# Altium PCB ui_brd_raton_v0.PcbDoc (part 2 of 4)
Units mm, origin at the board's own origin, x right, y up, seen from the top; angles counter-clockwise.
Board outline 280.16 x 208.53 mm, 2 copper layers (Top Layer, Bottom Layer); 354 components, 324 nets, 1344 pads, 595 vias.
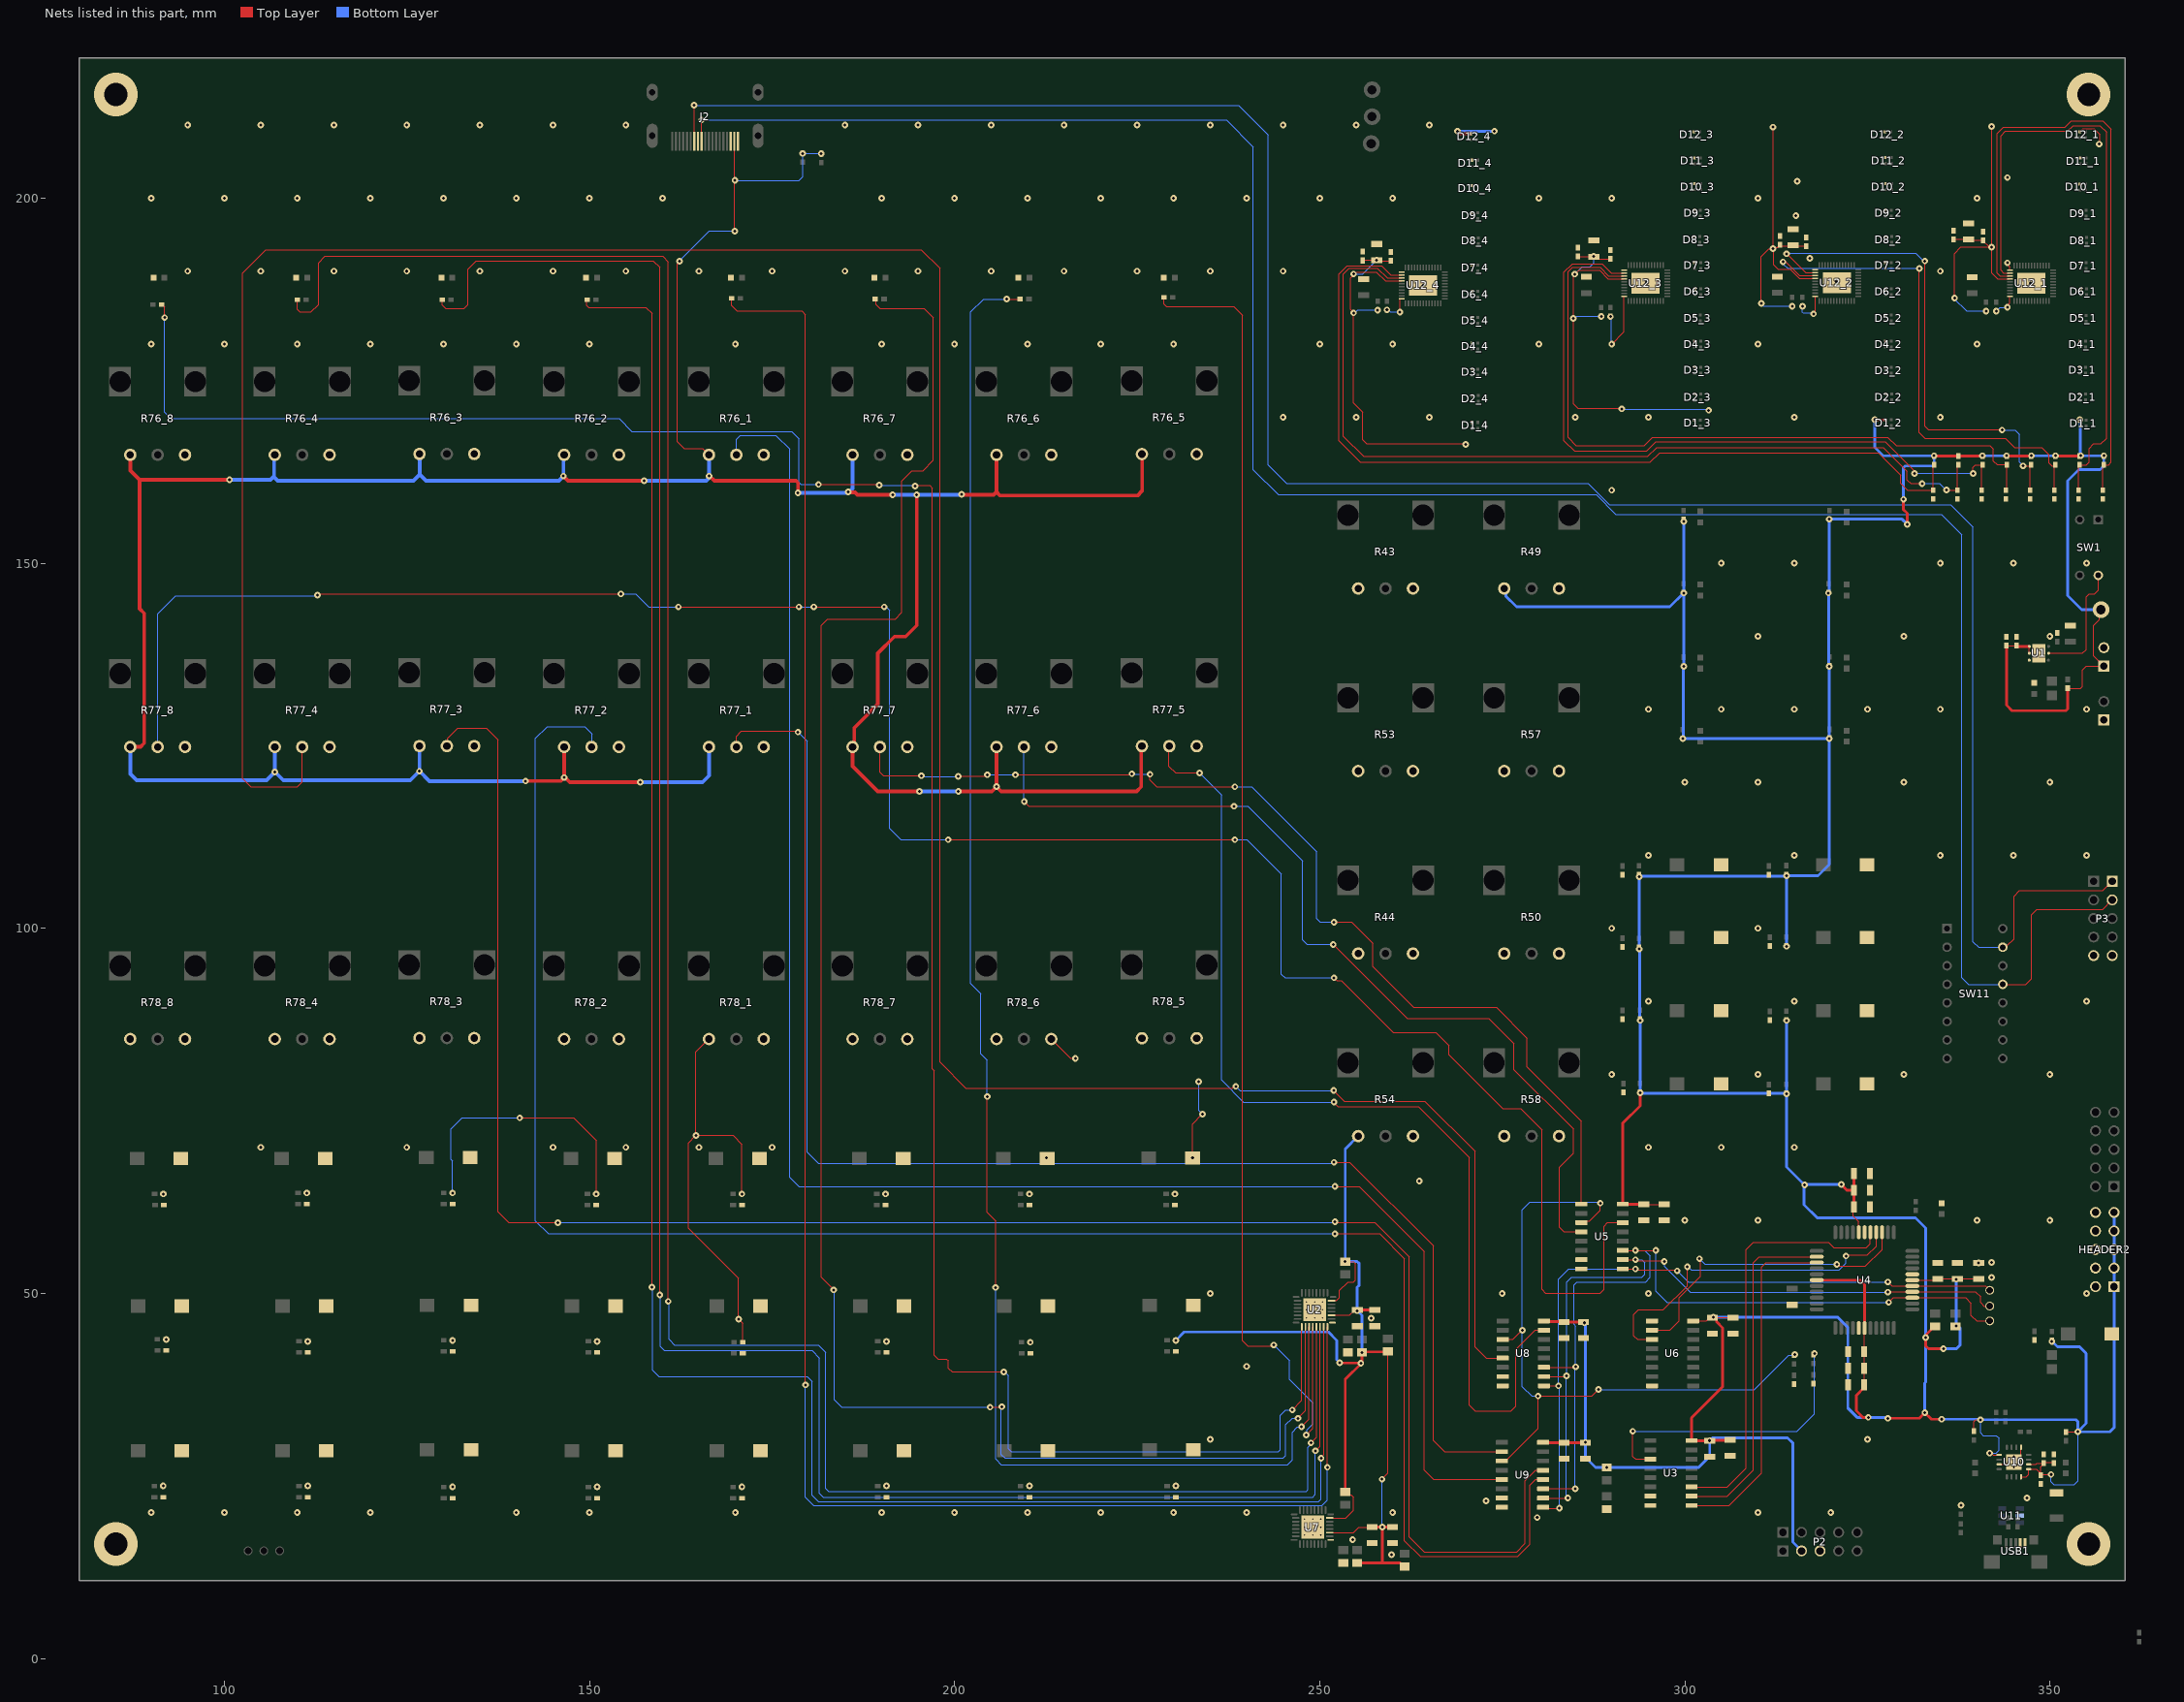
[diagram p2: the nets of this part, all layers, seen from the top]

## Part data
C1 C3 C30: library part "CAP 10uF CER 0402 6.3V X5R 20%-2", "CAP-10uF-CER-0402-6.3V-X5R-20%", Case/Package=0402, Manufacturer=Generic, Supplier Part Number 1=80-C0402C106M9P, Bin=F1-C2-10, Design Item ID="CAP 10uF CER 0402 6.3V X5R 20%", Source="Capacitor Library.SchLib", Supplier 1=Mouser, Type=SMD
C2 C5 C6 C7 C8 C9 C10 C11 C12 C38 C39 C40 C42_1 C42_2 C42_3 C42_4 C42_5 C42_6 C42_7 C42_8 C43_1 C43_2 C43_3 C43_4 C43_5 C43_6 C43_7 C43_8 C44_1 C44_2 C44_3 C44_4 C44_5 C44_6 C44_7 C44_8: library part "CAP 0.1uF CER 0402 16V X5R 10%-2", "CAP-0.1uF-CER-0402-16V-X5R-10%", Case/Package=0402, Manufacturer=Generic, Supplier Part Number 1=810-CGA2B2X5R1C104KA, Bin=CAP1-M1, Design Item ID="CAP 0.1uF CER 0402 16V X5R 10%", Source="Capacitor Library.SchLib", Status=Active, Supplier 1=Mouser, Type=SMD
C4: library part "CAP 0.1uF CER 0805 50V X7R 10%-2", "CAP-0.1uF-CER-0805-50V-X7R-10%", Case/Package=0805, Manufacturer=Generic, Supplier Part Number 1=80-C0805C104K5R, Bin=8-CAP, Datasheet=http://www.kemet.com/Lists/ProductCatalog/Attachments/53/KEM_C1002_X7R_SMD.pdf, Design Item ID="CAP 0.1uF CER 0805 50V X7R 10%", Source="Capacitor Library.SchLib", Status=Active, Supplier 1=Mouser, Type=SMD
C13 C16 C18 C20 C22 C27 C28 C32 C33 C35 C48_1 C48_2 C48_3 C48_4: library part "CAP 0.1uF CER 0805 50V  X7R 5%-2", "CAP-0.1uF-CER-0805-50V- X7R-5%", Case/Package=0805, Manufacturer=Generic, Supplier Part Number 1=80-C0805C104J3R, Bin=F1-C6-4, Datasheet=http://www.kemet.com/Lists/ProductCatalog/Attachments/53/KEM_C1002_X7R_SMD.pdf, Design Item ID="CAP 0.1uF CER 0805 50V  X7R 5%", Source="Capacitor Library.SchLib", Status=Active, Supplier 1=Mouser, Type=SMD
C14 C15 C19 C21 C23 C25 C29 C31 C34 C36 C41_1 C41_2 C41_3 C41_4: library part "CAP 1uF CER 0805 25V C0G 10%-2", Case/Package=0805, Manufacturer=Generic, Supplier Part Number 1=810-C2012X5R1E105K, Bin=N, Design Item ID="CAP 1uF CER 0805 25V C0G 10%", Source="Capacitor Library.SchLib", Status=Active, Supplier 1=Mouser, Type=SMD
C17 C26 C37: library part "CAP 1nF CER 0805 25V X7R 5%-2", Case/Package=0805, Manufacturer=Generic, Supplier Part Number 1=77-VJ0805Y102JXXPBC, Bin=N, Datasheet=http://www.mouser.com/ds/2/212/KEM_C1002_X7R_SMD-357932.pdf, Design Item ID="CAP 1nF CER 0805 25V X7R 5%", Source="Capacitor Library.SchLib", Status=Active, Supplier 1=Mouser, Type=SMD
C24: library part "CAP 10uF CER 0805 25V X5R 10%-2", "CAP-10uF-CER-0805-25V-X5R-10%", Case/Package=0805, Manufacturer=Generic, Supplier Part Number 1=80-C0805C106K8P, Bin=F1-C1-4, Design Item ID="CAP 10uF CER 0805 25V X5R 10%", Source="Capacitor Library.SchLib", Status=Active, Supplier 1=Mouser, Type=SMD
C45 C46: library part "CAP 1uF CER 0402 6.3V X5R 10%-2", "CAP-1uF-CER-0402-6.3V-X5R-10%", Case/Package=0402, Manufacturer=Generic, Supplier Part Number 1=603-CC402KRX5R9BB104, Bin=F1-CM1-04, Design Item ID="CAP 1uF CER 0402 6.3V X5R 10%", Source="Capacitor Library.SchLib", Status=Active, Supplier 1=Mouser, Type=SMD
C47_1 C47_2 C47_3 C47_4: library part "CAP 1nF CER 0402 50V X5R 10%-2", "CAP-1nF-CER-0402-50V-X5R-10%", Case/Package=0402, Manufacturer=Generic, Supplier Part Number 1=81-GRM155R61H102KA1D, Bin=N, Design Item ID="CAP 1nF CER 0402 50V X5R 10%", Source="Capacitor Library.SchLib", Status=Active, Supplier 1=Mouser, Type=SMD
C49_1 C49_2 C49_3 C49_4: library part "CAP 1uF CER 0402 25V X5R 20%-2", "CAP-1uF-CER-0402-25V-X5R-20%", Case/Package=0402, Manufacturer=Generic, Supplier Part Number 1=963-TMK105CC6105MV-F, Bin=5-FMC-CAP, Design Item ID="CAP 1uF CER 0402 25V X5R 20%", Source="Capacitor Library.SchLib", Status=Active, Supplier 1=Mouser, Type=SMD
D1_1 D1_2 D1_3 D1_4 D2_1 D2_2 D2_3 D2_4 D3_1 D3_2 D3_3 D3_4 D4_1 D4_2 D4_3 D4_4 D5_1 D5_2 D5_3 D5_4 D6_1 D6_2 D6_3 D6_4 D7_1 D7_2 D7_3 D7_4 D8_1 D8_2 D8_3 D8_4 D9_1 D9_2 D9_3 D9_4 D10_1 D10_2 D10_3 D10_4 D11_1 D11_2 D11_3 D11_4 D12_1 D12_2 D12_3 D12_4: library part IN-B101FCH-4, "LED-0404-RGB-10mA-3.4V", Case/Package=0404, Color=Blue,Green,Red, Manufacturer=Inolux, Luminous Intensity=17mcd, Status=Active, Type=SMD
DRX1 LED1: library part "LED 0603 Green 20mA 1.8V-1", "LED-0603-Green-20mA-1.8V-STOCK", Case/Package=0603, Manufacturer=Generic, Supplier Part Number 1=645-598-8060-107F, Bin=F2-DM1-1, Design Item ID="LED 0603 Green 20mA 1.8V", Source="Diode Library.SchLib", Status=Active, Supplier 1=Mouser, Type=SMD
DTX1: library part "LED 0603 Red 20mA 1.7V-1", "LED-0603-Red-20mA-1.7V-STOCK", Case/Package=0603, Manufacturer=Generic, Supplier Part Number 1=67-1551-6-ND, Bin=F2-DM1-2, Design Item ID="LED 0603 Red 20mA 1.7V", Source="Diode Library.SchLib", Status=Active, Supplier 1=Digi-Key, Type=SMD
EMI1: library part 74279211-2, "FILTER-1206-CHIP-300mA-0.3Ohm-100MHz-25%", Case/Package=1206, Manufacturer=Wurth, Supplier Part Number 1=710-742792115, Bin=F2-L2-1, ComponentLink1Description=Datasheet, ComponentLink1URL=https://eu.mouser.com/datasheet/2/445/742792115-1710682.pdf, Design Item ID=74279211, Source="Inductor Library.SchLib", Status=Active, Supplier 1=Mouser, Type=SMD
HEADER1 HEADER2: library part "GENERIC 10PIN HEADER MALE 2.54-2", "CONN MAL TH 10 0Deg HEADER 2.54mm", Case/Package="6 PIN", Manufacturer=Generic, Bin=B3-J5, Design Item ID="GENERIC 10PIN HEADER MALE 2.54", Source="Connector Library.SchLib", Status=Active, Type=TH
J1 J3_4 J4_4 J5_4: library part CMP-002-00000-2, "PCB-Probe-Ring", Color=Black
J2: library part 2086581051-2, "CONN FEM SMD 19 90Deg HDMI", Case/Package="4 PIN", Manufacturer=Molex, Supplier Part Number 1=Mouser, Design Item ID=2086581051, Source="Connector Library.SchLib", Status=Active, Supplier 1=Mouser, Type=HYBRID
J9 J10 J11 J12 J13 J14: library part "1PIN Debug-2", "CONN MAL TH 1 0Deg HEADER", Case/Package="1 PIN", Design Item ID="1PIN Debug", Source="Connector Library.SchLib", Status=NC, Type=N/A
LED2 LED3 LED4 LED5 LED6 LED7 LED8 LED9 LED10 LED11_1 LED11_2 LED11_3 LED11_4 LED11_5 LED11_6 LED11_7 LED11_8: library part "LED 0603 Blue 20mA 2.5V-1", "LED-0603-Blue-20mA-2.5V-STOCK", Case/Package=0603, Manufacturer=Generic, Supplier Part Number 1=604-APT1608LVBCD, Bin=F2-DM1-4, Design Item ID="LED 0603 Blue 20mA 2.5V", Source="Diode Library.SchLib", Status=Active, Supplier 1=Mouser, Type=SMD
P1 P4: library part "GENERIC 2PIN HEADER MALE-2", "CONN MAL TH 2 0Deg HEADER", Case/Package="n/a PIN", Manufacturer=Generic, Bin=B3-J5, Design Item ID="GENERIC 2PIN HEADER MALE", Source="Connector Library.SchLib", Status=Active, Type=TH
P2 P3: library part "GENERIC 5x2 PINS HEADER MALE-2", "CONN MAL TH 5x2 0Deg HEADER", Case/Package="2 PIN", Manufacturer=Generic, Bin=B3-J5, Design Item ID="GENERIC 5x2 PINS HEADER MALE", Source="Connector Library.SchLib", Status=Active, Type=TH
R1 R3 R4 R5 R6 R7 R8 R9 R10 R11 R12 R13 R14 R15 R16 R17 R18 R19 R20 R21 R22 R23 R24 R27 R28 R36 R51 R67 R68 R69 R70_1 R70_2 R70_3 R70_4 R70_5 R70_6 R70_7 R70_8 R72 R73_1 R73_2 R73_3 R73_4 R73_5 R73_6 R73_7 R73_8 R74 R75_1 R75_2 R75_3 R75_4 R75_5 R75_6 R75_7 R75_8 R79_1 R79_2 R79_3 R79_4 R80_1 R80_2 R80_3 R80_4: library part "RES 10k 0402 63mW 5%-1", "RES-10k-0402-63mW-5%", Case/Package=0402, Manufacturer=Generic, Bin=F1-R7-9, Design Item ID="RES 10k 0402 63mW 5%", MAPPING=1(2,1,11.5k), Source="Resistor Library.SchLib", Status=Active, Type=SMD
R2 R56: library part "RES 100 0805 125mW 1%-1", "RES-100-0805-125mW-1%", Case/Package=0805, Manufacturer=Generic, Bin=F1-R11-6, Design Item ID="RES 100 0805 125mW 1%", MAPPING=1(2,1,10k), Source="Resistor Library.SchLib", Status=Active, Type=SMD
R25 R26 R29 R30 R31 R32 R33 R34 R42 R65 R66 R71_1 R71_2 R71_3 R71_4 R71_5 R71_6 R71_7 R71_8: library part "RES 1k 0402 63mW 1%-1", "RES-1k-0402-63mW-1%", Case/Package=0402, Manufacturer=Generic, Bin=F1-R3-10, Design Item ID="RES 1k 0402 63mW 1%", MAPPING=1(2,1,11.5k), Source="Resistor Library.SchLib", Status=Active, Type=SMD
R35 R37 R38 R39 R40 R41 R45 R46 R47 R48 R52 R55: library part "RES 10k 0805 125mW 1%-1", "RES-10k-0805-125mW-1%", Case/Package=0805, Manufacturer=Generic, Bin=F1-R12-10, Design Item ID="RES 10k 0805 125mW 1%", MAPPING=1(2,1,10k), Source="Resistor Library.SchLib", Status=Active, Type=SMD
R43 R44 R49 R50 R53 R54 R57 R58 R76_1 R76_2 R76_3 R76_4 R76_5 R76_6 R76_7 R76_8 R77_1 R77_2 R77_3 R77_4 R77_5 R77_6 R77_7 R77_8 R78_1 R78_2 R78_3 R78_4 R78_5 R78_6 R78_7 R78_8: library part CMP-002-00002-1, "Potentiometers 12mm 10K ohm", Max Operating Temperature=70°C, Max Power Dissipation=50mW, Min Operating Temperature=-20°C, Package Quantity=275, Resistance=10kR, Resistor Type="Conductive Plastic,Potentiometer", Tolerance=20%, Actuator Diameter=0.236inch, Actuator Length=0.984inch, Mount="Through Hole,Snap in", Number of Gangs=1, Number of Turns=1, Packaging=Tray, Power Rating=50mW, Taper=Linear, Termination="PC Pins"
R59 R60 R62: library part "RES 0 0402 63mW-1", "RES-0-0402-63mW-5%", Case/Package=0402, Manufacturer=Generic, Bin=F1-RM1-5, Design Item ID="RES 0 0402 63mW", MAPPING=1(2,1,11.5k), Source="Resistor Library.SchLib", Status=Active, Type=SMD
R61 R63: library part "RES 39 0402 63mW 5%-1", "RES-39-0402-63mW-5%", Case/Package=0402, Manufacturer=Generic, Bin=F1-R1-2, Design Item ID="RES 39 0402 63mW 5%", MAPPING=1(2,1,11.5k), Source="Resistor Library.SchLib", Status=Active, Type=SMD
R64: library part "RES 4.75k 0402 100mW 1%-2", "RES-4.75k-0402-100mW-1%", Case/Package=0402, Manufacturer=Generic, Bin=F1-R7-7, Design Item ID="RES 4.75k 0402 100mW 1%", Source="Resistor Library.SchLib", Status=Active, Type=SMD
SW1: library part CMP-01293-3, "SWITCH DIP SPST 2 100mA 50V", Current Rating=100mA, Max Operating Temperature=85°C, Min Operating Temperature=-40°C, Package Quantity=85, Voltage Rating (DC)=20V, Actuator Type="Slide (Standard)", Contact Material=Copper, Contact Plating=Gold,Tin, Electrical Life=1000Cycles, Lead Free="Lead Free", Length=0.258inch, Max Current Rating=100mA, Mount="Through Hole", Number of Positions=2, Orientation=Straight, Packaging=Rail/Tube, Pitch=0.1inch, Terminal Pitch=2.54mm, Termination="PC Pin", Throw Configuration=SPST, Washable=No
SW2 SW3 SW4 SW5 SW6 SW7 SW8 SW9 SW10 SW12_1 SW12_2 SW12_3 SW12_4 SW12_5 SW12_6 SW12_7 SW12_8 SW13_1 SW13_2 SW13_3 SW13_4 SW13_5 SW13_6 SW13_7 SW13_8 SW14_1 SW14_2 SW14_3 SW14_4 SW14_5 SW14_6 SW14_7 SW14_8: library part TL9210AF180Q-2, "SWITCH MOM SMD SPST 50MA 12V Soft Tact", Case/Package="2 PIN", Manufacturer=E-Switch, Supplier Part Number 1=612-TL9210AF180Q, Design Item ID=TL9210AF180Q, Source="Switches Library.SchLib", Status=Active, Supplier 1=Mouser, Type=SMD
SW11: library part 210-8MS-2, "SWITCH DIP SMD SPST 8 100mA 50V", Case/Package="16 PDIP", Manufacturer="C&K Components", Supplier Part Number 1=774-2108MS, Design Item ID=210-8MS, Source="Switches Library.SchLib", Status=Active, Supplier 1=Mouser, Type=TH
U1: library part CMP-01296-4, "STMICROELECTRONICS - LD39200PU33R - LDO, FIXED, 3.3V, 2A, -40 TO 125DEG C", Case/Package="6-pin DFN", Manufacturer=STMicroelectronics, Supplier Part Number1=NR, Bin=NR, Status=NR, Supplier1=NR, Type=SMD
U2 U7: "Low-Voltage 24-Bit I2C and SMBus I/O Expander, 24 Outputs, 1.65 to 5.5 V, -40 to 85 degC, 32-pin UQFN (RGJ), Green (RoHS & no Sb/Br)", Supplier Part Number 1=296-27844-1-ND, Supplier 1=Digi-Key
U3 U5 U8 U9: library part CMP-01301-1, "Analog Multiplexer Single 8:1 16-Pin SOIC Tube", Case/Package=SOIC, Dual Supply Voltage=5V, Max Dual Supply Voltage=9V, Max Operating Temperature=125°C, Max Power Dissipation=700mW, Max Supply Voltage=20V, Min Dual Supply Voltage=2.5V, Min Operating Temperature=-55°C, Min Supply Voltage=3V, On-State Resistance=240R, Operating Supply Current=80nA, Operating Supply Voltage=18V, Package Quantity=40, Bandwidth=20MHz, Contact Plating=Gold, Height=1.58mm, Lead Free="Lead Free", Length=9.9mm, Logic Function=Multiplexer,Demultiplexer, Mount="Surface Mount", Number of Bits=8, Number of Channels=1, Number of Circuits=1, Number of Inputs=8, Number of Outputs=1, Number of Pins=16, Packaging=Rail/Tube, Propagation Delay=60ns, Radiation Hardening=No, REACH SVHC="No SVHC", Supply Type=Single,Dual, Turn-Off Delay Time=450ns, Turn-On Delay Time=720ns, Weight=0.004998oz, Width=3.91mm
U4: library part CMP-01295-2, "IC MCU 16BIT 128KB FLASH 44TQFP", Case/Package="44 TQFP", Manufacturer=Microchip, Supplier Part Number1=NR, Bin=NR, Status=NR, Supplier1=NR, Type=SMD
U6: library part CMP-01302-1, "Decoder/Demultiplexer Dual 2-to-4 16-Pin SOIC T/R", Case/Package=SOIC, High Level Output Current=6.8mA, Max Operating Temperature=125°C, Max Supply Voltage=18V, Min Operating Temperature=-55°C, Min Supply Voltage=3V, Package Quantity=2500, Quiescent Current=100uA, Bandwidth=8MHz, Contact Plating=Gold, Independent Circuits=2, Lead Free="Lead Free", Logic Function=Demultiplexer,Decoder, Low Level Output Current=6.8mA, Mount="Surface Mount", Number of Bits=4, Number of Channels=2, Number of Elements=2, Number of Input Lines=1, Number of Inputs=2, Number of Output Lines=4, Number of Outputs=4, Number of Pins=16, Packaging="Tape and Reel", Polarity=Inverting, Propagation Delay=190ns, Radiation Hardening=No, Supply Type=Dual, Turn-On Delay Time=440ns, Weight=0.004998oz
U10: library part FT230XQ-R-2, "USB to Basic UART Interface Chip, UHCI/OHCI/EHCI Compatible, USB 2.0 Compatible, -40 to +85 degC, 16-Pin QFN, Pb-Free, Tape and Reel", Package="16 QFN", Supplier Part Number 1=895-FT230XQ-R, Bin=B2-U4, Datasheet=http://www.ftdichip.com/Support/Documents/DataSheets/ICs/DS_FT230X.pdf, Design Item ID=FT230XQ-R, Source="FTDI FT-X Series.SchLib", Status=Active, Supplier 1=Mouser, Type=SMD
U11: library part CMP-00028-1, "Low-Capacitance + / - 15-kV ESD Protection Array for High-Speed Data Interfaces, 4 Channels, -40 to +85 degC, 6-pin SOT-23 (DBV), Green (RoHS & no Sb/Br)", Manufacturer="Texas Instruments", Package="6 SOT23", Datasheet=http://www.ti.com/general/docs/lit/getliterature.tsp?genericPartNumber=TPD4E001&fileType=pdf, Design Item ID=TPD4E001DBVR, Serial ATA / eSATA=TRUE, Source="TI Interface ESD EMI Protection.SchLib", Status=Active, Type=SMD
U12_1 U12_2 U12_3 U12_4: library part LP5036RJVR-2, "36-Channel LED Driver - 2.7-5.5V - 1.26A/channel", Case/Package=VQFN-46, Manufacturer="Texas Instruments", Status=Active, Type=SMD
USB1: library part DX4R005HJ5R2000-1, "CONN FEM SMD 5 90Deg Micro USB B", Case/Package="24 PIN", Manufacturer=JAE, Supplier Part Number 1=Digi-Key, Bin=B3-J3, Design Item ID=DX4R005HJ5R2000, Source="Connector Library.SchLib", Status=Active, Supplier 1=Digi-Key, Type=SMD

## Via types
v1: diameter 0.9, hole 0.4, Top Layer to Bottom Layer, tented both sides, 571 vias
v2: diameter 0.5, hole 0.2, Top Layer to Bottom Layer, 16 vias
v3: diameter 0.6, hole 0.3, Top Layer to Bottom Layer, 4 vias
v4: diameter 6, hole 3.15, Top Layer to Bottom Layer, 4 vias

## Nets (pads, with @x,y where several pads share a name; then routed paths per layer and width w, separated by ;. In a path a pad name is that pad's centre, name@x,y a point inside that pad or via, vN(x,y) a via of type N, cw(c..) or ccw(c..) an arc to the next point about the centre after c; other vN are vias at no path point)
3V3: C2.1 C3.1 C13.1 C14.1 C15.1 C16.1 C17.1 C18.1 C19.1 C20.1 C21.1 C22.1 C23.1 C25.1 C26.1 C27.1 C28.1 C29.1 C31.1 C32.1 C33.1 C34.1 C35.1 C36.1 C37.1 C38.1 C39.1 C40.1 C47_1.1 C47_2.1 C47_3.1 C47_4.1 C48_1.1 C48_2.1 C48_3.1 C48_4.1 C49_1.1 C49_2.1 C49_3.1 C49_4.1 D1_1.1 D1_2.1 D1_3.1 D1_4.1 D2_1.1 D2_2.1 D2_3.1 D2_4.1 D3_1.1 D3_2.1 D3_3.1 D3_4.1 D4_1.1 D4_2.1 D4_3.1 D4_4.1 D5_1.1 D5_2.1 D5_3.1 D5_4.1 D6_1.1 D6_2.1 D6_3.1 D6_4.1 D7_1.1 D7_2.1 D7_3.1 D7_4.1 D8_1.1 D8_2.1 D8_3.1 D8_4.1 D9_1.1 D9_2.1 D9_3.1 D9_4.1 D10_1.1 D10_2.1 D10_3.1 D10_4.1 D11_1.1 D11_2.1 D11_3.1 D11_4.1 D12_1.1 D12_2.1 D12_3.1 D12_4.1 HEADER2.1 HEADER2.3 HEADER2.5 HEADER2.7 HEADER2.9 J1.1 J2.18 P1.1 P2.3 R1.2 R3.2 R4.2 R5.2 R6.2 R7.1 R8.1 R13.1 R14.1 R15.2 R16.2 R17.2 R18.2 R23.1 R24.1 R25.1 R26.1 R27.1 R28.1 R29.1 R30.1 R31.1 R32.1 R33.1 R34.1 R35.2 R38.2 R40.2 R41.2 R43.1 R44.1 R45.2 R46.2 R48.2 R49.1 R50.1 R51.1 R52.2 R53.1 R54.1 R55.2 R57.1 R58.1 R65.1 R66.1 R68.2 R69.2 R70_1.1 R70_2.1 R70_3.1 R70_4.1 R70_5.1 R70_6.1 R70_7.1 R70_8.1 R73_1.1 R73_2.1 R73_3.1 R73_4.1 R73_5.1 R73_6.1 R73_7.1 R73_8.1 R75_1.1 R75_2.1 R75_3.1 R75_4.1 R75_5.1 R75_6.1 R75_7.1 R75_8.1 R76_1.1 R76_2.1 R76_3.1 R76_4.1 R76_5.1 R76_6.1 R76_7.1 R76_8.1 R77_1.1 R77_2.1 R77_3.1 R77_4.1 R77_5.1 R77_6.1 R77_7.1 R77_8.1 R78_1.1 R78_2.1 R78_3.1 R78_4.1 R78_5.1 R78_6.1 R78_7.1 R78_8.1 R79_1.1 R79_2.1 R79_3.1 R79_4.1 U1.1 U1.2 U2.27 U2.31 U3.16 U4.6 U4.17 U4.28 U4.40 U5.16 U6.16 U7.27 U7.31 U8.16 U9.16 U10.1 U10.8 U10.9 U10.10 U12_1.40 U12_2.40 U12_3.40 U12_4.40 | length 1705.9
  Top Layer w0.152: v1(140.462,74.041) 147.828,74.041 150.933,70.936 v1(150.933,63.627) ; v1@162.433,191.389 162.052,191.008 162.052,166.624 162.941,165.735 165.471,165.735 R76_1.1@166.37,164.836 ; R78_1.1@166.37,84.836 164.592,83.058 v1(164.592,71.628) ; J2.18@169.851,207.783 169.87,207.764 169.87,195.509 v1(169.888,195.491) ; v1(170.872,63.627) 170.872,70.428 169.672,71.628 v1(164.592,71.628) ; R70_1.1@170.999,43.307 170.999,45.917 v1(170.434,46.482) 170.434,52.07 163.576,58.928 163.576,70.612 v1(164.592,71.628) ; U7.27@251.372,17.241 254.604,17.241 255.354,17.991 C35.1@257.175,17.991 ; U7.31@251.372,19.241 253.556,19.241 254.635,20.32 254.635,22.098 254.306,22.427 253.868,22.427 R52.2@253.492,22.803 ; U2.27@251.626,47.002 254.086,47.002 C18.1@254.793,47.709 ; U2.31@251.626,49.002 252.329,49.002 252.73,49.403 252.73,50.419 253.873,51.562 254.635,51.562 254.889,51.816 254.889,54.102 254.649,54.342 R40.2@253.492,54.342 ; C49_4.1@255.905,191.459 255.962,191.516 v1(257.81,191.516) 257.902,191.424 C47_4.1@259.715,191.424 ; C19.1@257.493,47.646 C19.1@257.556,47.709 ; v1@258.699,24.765 259.334,25.4 R41.2@259.334,42.051 ; U12_4.40@261.21,188.643 259,188.643 257.778,189.865 255.016,189.865 254.254,189.103 254.254,184.729 254.635,184.348 254.635,171.958 255.905,170.688 255.905,166.878 256.413,166.37 269.875,166.37 v1@270.002,166.243 ; U8.16@280.701,46.228 283.294,46.228 283.379,46.143 C28.1@283.464,46.058 ; C34.1@283.421,29.591 C34.1@283.464,29.548 ; C49_3.1@285.369,192.024 285.41,191.983 C48_3.1@287.528,191.983 287.833,191.678 C47_3.1@289.814,191.678 ; v1@291.338,171.196 285.369,171.196 284.734,171.831 v1(284.734,183.515) 284.734,189.357 285.496,190.119 288.315,190.119 289.474,188.96 U12_3.40@291.684,188.96 ; C20.1@294.343,62.23 C20.1@294.386,62.187 C21.1@297.18,62.187 ; U6.16@301.148,46.228 302.969,46.228 303.434,46.693 C22.1@303.784,46.693 ; C13.1@303.466,29.866 303.53,29.929 C14.1@306.197,29.929 ; C22.1@304.134,46.693 C23.1@306.578,46.693 ; v1(310.462,185.58) 310.462,191.971 311.531,193.04 312.027,193.04 v1(312.083,193.096) ; v1@312.293,209.931 v1(312.083,209.721) v1(312.083,193.096) ; C47_2.1@316.611,193.421 313.252,193.421 C49_2.1@313.055,193.618 313.055,193.518 312.831,193.294 312.731,193.294 312.676,193.239 312.226,193.239 v1@312.166,193.179 ; U12_2.40@317.852,188.979 315.669,188.979 314.402,190.246 312.801,190.246 312.166,190.881 v1@312.166,193.179 ; C17.1@323.131,61.849 323.088,61.806 323.088,60.579 323.812,59.855 U4.40@323.812,58.366 ; C31.1@324.569,37.465 C32.1@324.569,39.751 C37.1@324.569,42.037 324.612,42.08 U4.17@324.612,45.266 ; U4.28@331.162,51.816 334.475,51.816 C25.1@334.645,51.986 C26.1@337.312,51.986 C27.1@340.233,51.986 ; C49_1.1@336.804,194.345 336.812,194.353 C48_1.1@338.836,194.353 338.971,194.218 C47_1.1@340.868,194.218 340.868,194.118 341.549,193.437 341.868,193.437 v1(342.011,193.294) ; v1(336.942,186.319) 336.942,192.416 337.82,193.294 v1(342.011,193.294) ; R65.1@339.598,31.133 339.598,32.438 339.852,32.692 v1(340.487,32.692) ; v1(341.757,28.12) 342.011,28.12 342.25,27.881 U10.1@343.041,27.881 ; v1@342.011,210.185 v1(342.011,209.804) v1(342.011,193.294) ; C3.1@344.043,138.719 C2.1@345.44,138.719 ; U12_1.40@344.522,188.941 342.808,188.941 342.011,189.738 v1(342.011,193.294) ; U10.8@346.041,24.881 346.773,24.881 347.091,25.199 U10.9@347.091,25.931 348.167,25.931 C40.1@348.742,25.356 ; U10.10@347.091,26.581 348.053,26.581 348.23,26.758 C38.1@349.123,26.758 ; U1.2@347.167,137.668 347.177,137.679 347.177,138.607 U1.1@347.188,138.618 U1.1@347.169,138.618 ; v1(350.139,25.199) 348.812,25.199 C40.1@348.742,25.129 C40.1@348.742,25.356 ; C39.1@350.52,26.758 350.428,26.85 349.123,26.85 C38.1@349.123,26.758 ; R66.1@352.171,31.006 352.206,31.041 v1(353.822,31.041) ; R1.2@352.425,132.877 352.46,132.842 354.203,132.842 354.457,133.096 354.457,135.382 354.965,135.89 P1.1@357.378,135.89 355.981,137.287 355.981,141.478 356.768,142.265 356.768,143.408 J1.1@356.997,143.637 ; D12_1.1@354.057,209.086 354.486,209.515 356.016,209.515 356.807,208.724 356.807,207.455 v1(356.743,207.391) ; v1(312.083,193.096) v1@312.166,193.179 ; C40.1@348.742,25.356 348.742,26.277 349.123,26.658 C38.1@349.123,26.758
  Top Layer w0.381: v1(252.73,40.513) 252.776,40.467 255.586,40.467 v1(255.632,40.422) ; R52.2@253.492,22.803 253.492,38.227 255.778,40.513 v1(255.778,41.91) R35.2@255.778,41.924 255.841,41.988 259.27,41.988 R41.2@259.334,42.051 ; R45.2@255.143,13.081 258.572,13.081 ; C18.1@255.143,47.709 257.429,47.709 C19.1@257.493,47.646 ; C35.1@257.175,17.991 v1(258.572,17.991) ; C36.1@259.969,17.991 v1(258.572,17.991) ; R55.2@261.62,12.587 261.495,12.587 261.001,13.081 258.572,13.081 ; v1(268.859,209.169) 269.196,208.832 D12_4.1@270.745,208.832 ; U9.16@280.605,29.591 280.626,29.57 283.4,29.57 C34.1@283.421,29.591 ; U8.16@280.701,46.228 280.786,46.143 C28.1@283.379,46.143 ; C34.1@283.464,29.548 C33.1@286.385,29.548 ; C28.1@283.464,46.058 C29.1@286.131,46.058 ; R24.1@293.831,77.54 293.878,77.493 v1(293.878,77.47) 293.878,75.692 291.496,73.31 U5.16@291.496,62.23 291.517,62.209 294.322,62.209 C20.1@294.343,62.23 ; C13.1@303.403,29.802 C13.1@303.425,29.824 ; C22.1@303.784,46.693 304.134,46.693 304.344,46.483 304.344,46.133 305.181,45.296 305.181,37.211 300.925,32.955 U3.16@300.925,29.845 300.946,29.824 C13.1@303.425,29.824 ; C14.1@306.197,29.929 306.133,29.866 303.466,29.866 C13.1@303.425,29.824 ; U4.6@318.062,51.816 323.977,51.816 324.612,51.181 U4.17@324.612,45.266 ; v1@321.437,64.897 322.199,64.135 C15.1@323.131,64.135 ; C17.1@323.131,61.849 C15.1@323.131,64.135 ; C16.1@323.131,66.421 C15.1@323.131,64.135 ; C31.1@324.569,37.465 324.569,37.115 323.469,36.015 323.469,33.909 324.358,33.02 v1(325.12,33.02) ; v1(326.009,169.672) 326.054,169.627 D1_2.1@327.495,169.627 ; v1(327.787,32.893) 332.105,32.893 v1(332.867,33.655) 333.756,32.766 v1(335.153,32.766) ; v1(329.946,158.75) 329.946,157.353 330.44,156.859 v1(330.44,155.311) ; R3.2@334.137,164.684 R4.2@337.457,164.684 R15.2@340.777,164.684 ; R48.2@334.264,45.48 334.139,45.48 333.093,44.434 333.093,44.041 v1(332.994,43.942) 332.994,42.799 333.375,42.418 v1(335.407,42.418) ; C3.1@344.043,138.719 344.043,130.556 344.805,129.794 352.171,129.794 352.425,130.048 R1.2@352.425,132.877 ; R16.2@344.097,164.684 R5.2@347.418,164.684 ; C2.1@345.44,138.719 345.541,138.618 U1.1@347.169,138.618 ; R6.2@350.738,164.684 R17.2@354.058,164.684 ; 258.572,13.081 v1(258.572,17.991)
  Top Layer w0.508: R77_8.1@87.122,124.836 87.127,124.841 88.519,124.841 89.027,125.349 89.027,143.139 88.392,143.774 88.392,161.417 ; R76_8.1@87.122,164.836 87.122,162.687 88.392,161.417 ; v1(100.711,161.417) 88.392,161.417 ; v1(141.262,120.169) 146.077,120.169 v1(146.558,120.65) ; v1(146.431,161.925) 147.066,161.29 v1(157.48,161.29) ; R77_2.1@146.533,124.836 146.558,124.811 v1(146.558,120.65) ; v1@156.845,120.142 156.718,120.015 147.299,120.015 146.664,120.65 v1(146.558,120.65) ; v1(166.37,161.925) 166.476,161.925 167.111,161.29 178.264,161.29 178.562,160.992 v1(178.562,159.639) ; v1(185.42,159.766) 185.495,159.691 186.384,159.691 186.69,159.385 v1(191.516,159.385) ; v1(194.818,159.385) 194.818,141.478 193.294,139.954 191.77,139.954 189.484,137.668 189.484,130.683 186.258,127.457 186.258,125.064 R77_7.1@186.03,124.836 186.03,122.199 189.484,118.745 v1(195.199,118.745) ; v1(200.533,118.745) 205.105,118.745 v1@205.74,119.38 ; v1(200.977,159.448) 201.041,159.385 205.359,159.385 205.74,159.766 ; v1(205.735,119.409) 205.735,119.385 v1@205.74,119.38 ; R77_6.1@205.74,124.836 v1@205.74,119.38 ; R76_6.1@205.74,164.836 205.74,159.766 ; R77_5.1@225.654,124.945 225.552,124.843 225.552,119.38 224.917,118.745 206.375,118.745 v1@205.74,119.38 ; R76_5.1@225.654,164.945 225.679,164.92 225.679,159.893 225.044,159.258 206.248,159.258 205.74,159.766
  Bottom Layer w0.152: v1(131.248,63.754) 131.248,68.145 131.064,68.329 131.064,72.517 132.588,74.041 v1(140.462,74.041) ; v1(162.326,191.367) 166.45,195.491 v1(169.888,195.491) ; v1(169.926,202.438) 178.689,202.438 179.197,202.946 v1(179.197,206.121) 179.215,206.103 181.72,206.103 v1(181.737,206.086) ; v1(254.635,184.277) 254.833,184.277 255.214,184.658 v1(257.937,184.658) ; v1(254.635,189.611) 255.905,189.611 v1(257.81,191.516) ; v1(258.541,24.537) 258.556,24.522 258.556,18.007 v1(258.572,17.991) ; v1(284.734,183.515) 284.936,183.515 285.225,183.804 v1(288.544,183.804) ; v1(284.917,189.595) 285.949,190.627 287.02,190.627 287.528,191.135 v1(287.528,192.024) ; v1(291.348,171.145) 291.424,171.069 v1@302.895,171.069 ; v1@310.388,185.547 310.734,185.201 v1(314.706,185.201) ; v1@336.804,186.309 338.582,184.531 v1(341.249,184.531) ; v1(340.487,32.692) 340.487,30.914 340.868,30.533 342.646,30.533 343.027,30.152 343.027,28.501 342.646,28.12 v1(341.757,28.12) ; v1(350.139,25.199) 350.139,24.183 350.52,23.802 353.314,23.802 353.822,24.31 v1(353.822,31.041)